# Altium PCB EinsyRetro.PcbDoc (part 2 of 5)
Units mil, origin at the board's own origin, x right, y up, seen from the top; angles counter-clockwise.
Board outline 4134 x 2795 mil, 6 copper layers (Top, GND, Signal Layer 1, Supply, Signal Layer 2, Bottom), stack 61.838 mil thick; 427 components, 287 nets, 1377 pads, 895 vias.
Unrouted connection lines stored in the file: 3.
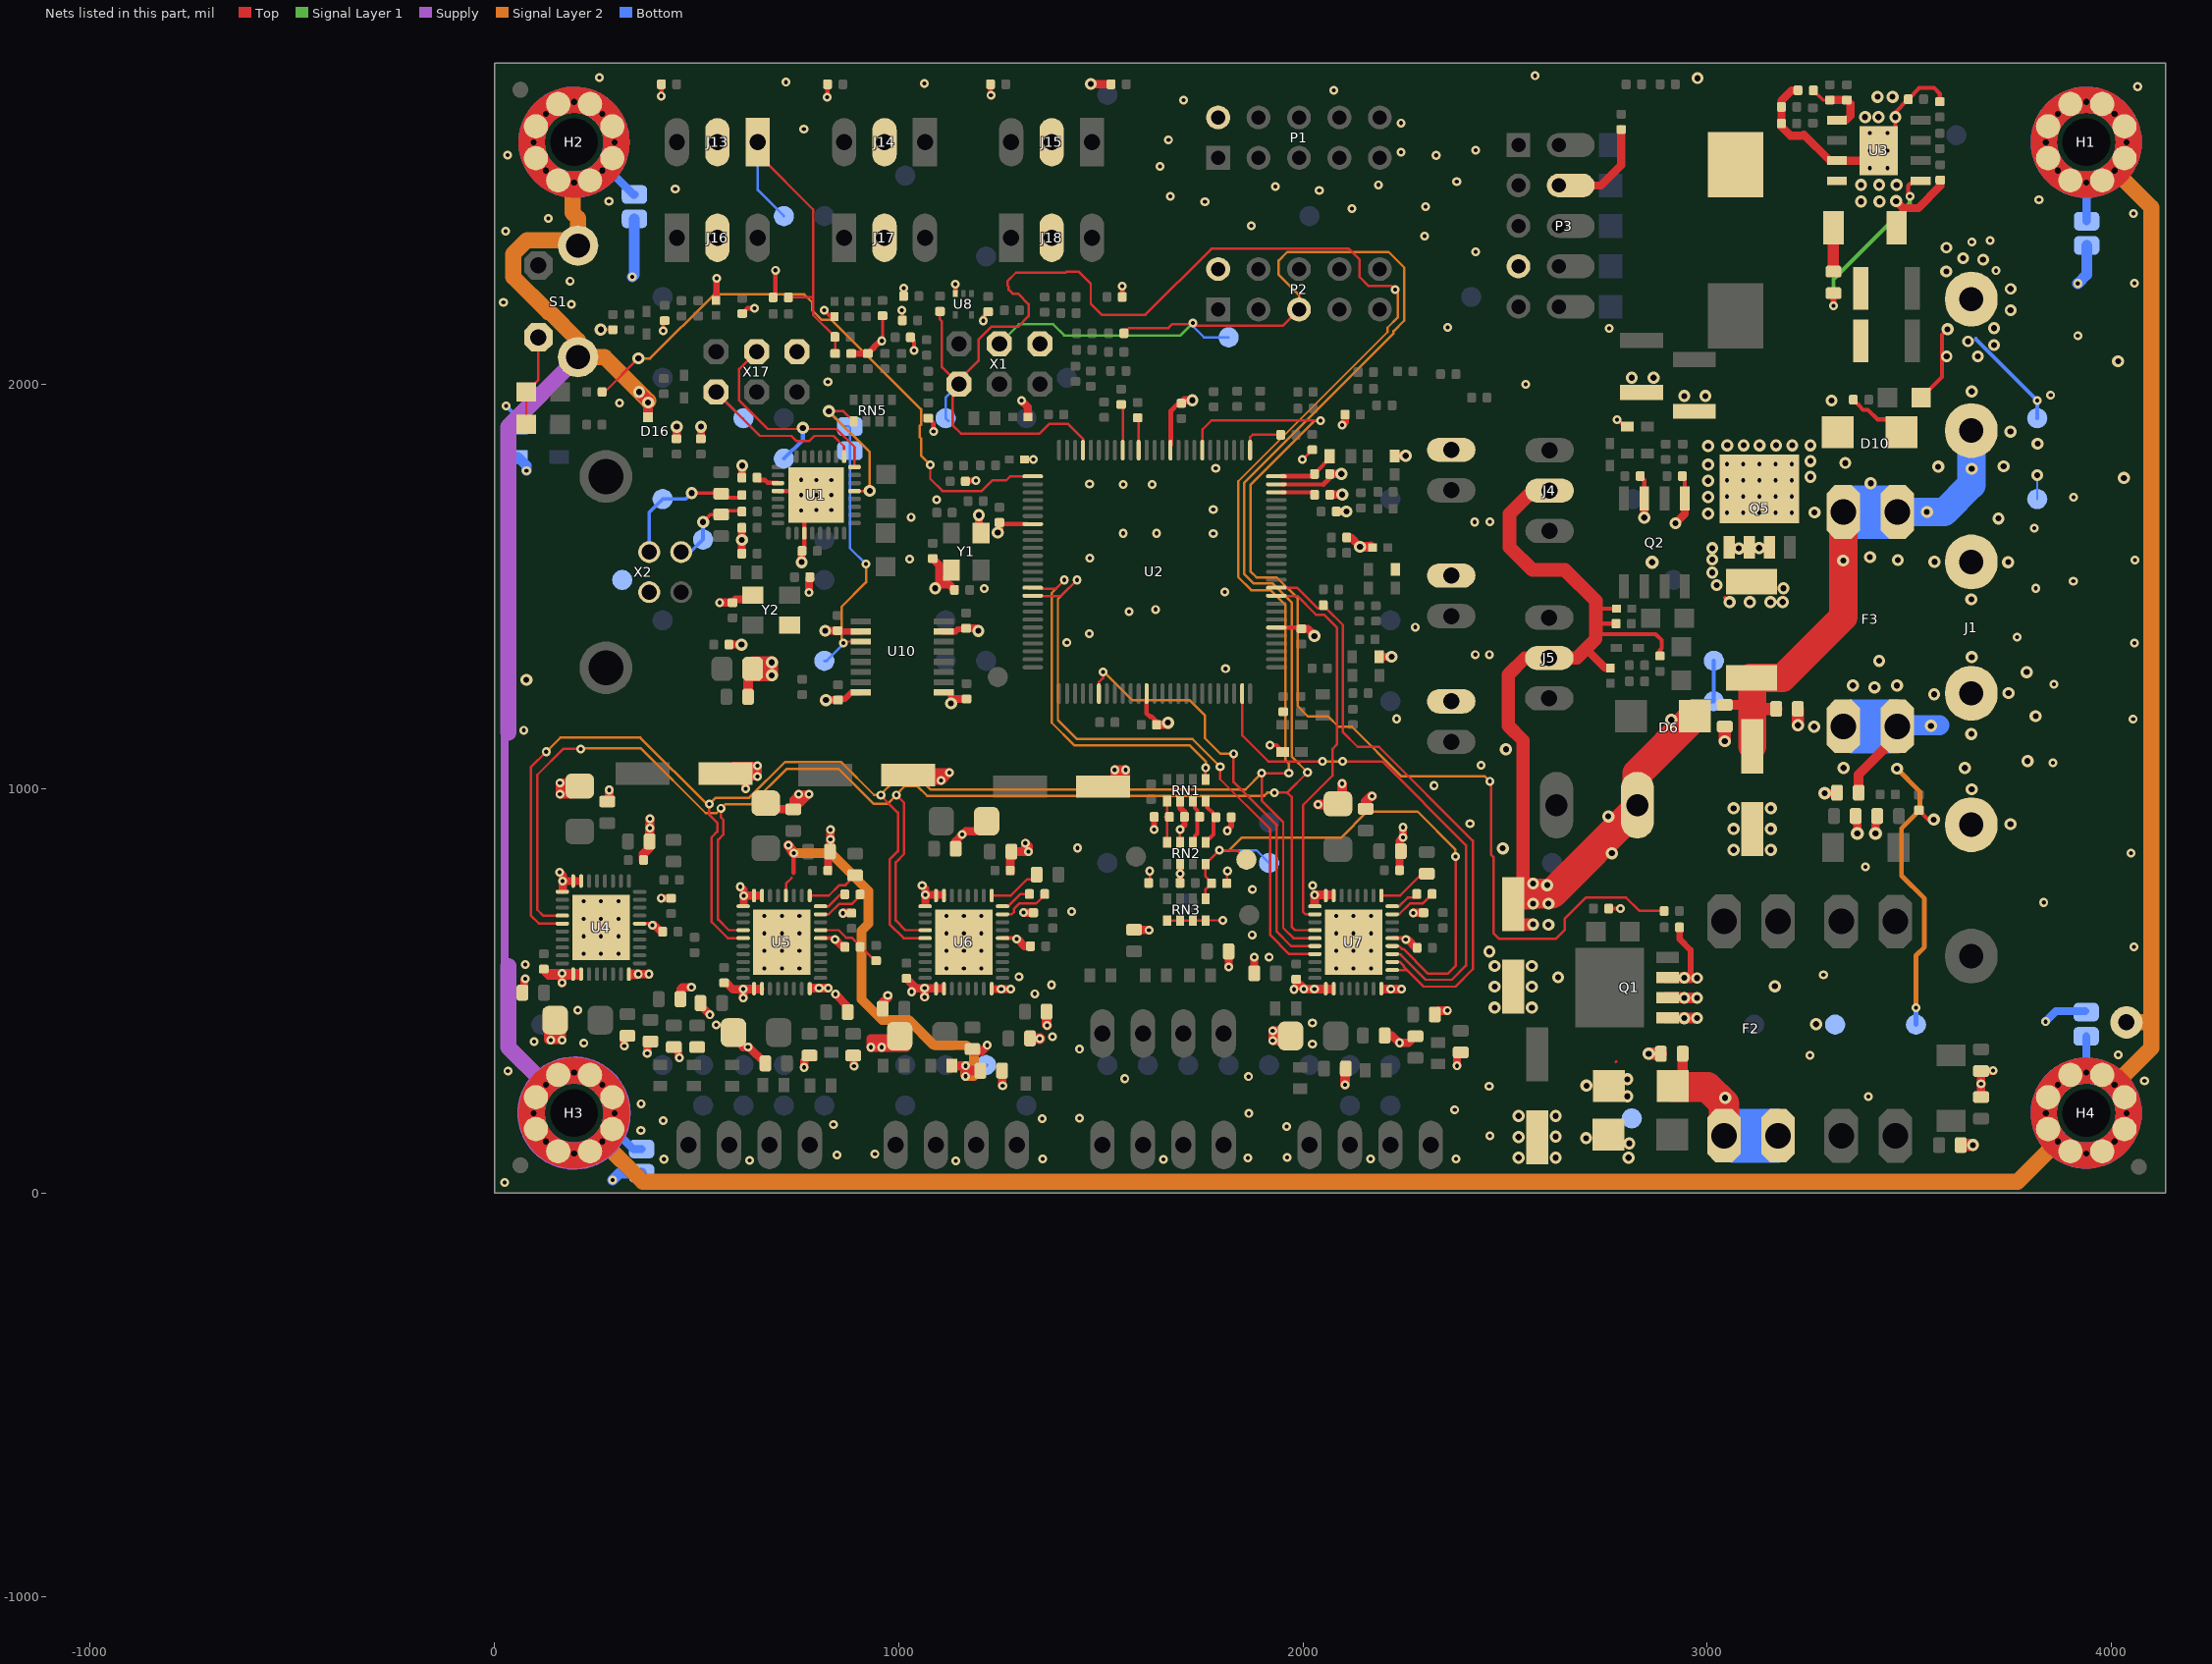
[diagram p6: the nets of this part, all layers, seen from the top]

## Part data
C1 C12 C13 C57 C58: library part 04025A220JAT2A, "CAP CER 0402 22pF 50V 5% C0G", Manufacturer=AVX, TOLERANCE=5%, DISTRIBUTOR=Digi-Key, DISTRIBUTOR #=478-1074-2-ND, EE_SPEC="22pF 5% 50V NP0 0402", MANUFACTURER #=04025A220JAT2A, PART="22pF 50V", PART DESCRIPTION="22pF ±5% 50V Ceramic Capacitor C0G, NP0 0402 (1005 Metric)"
C2: library part C0805C106K8PACTU, "CAP CER 0805 10uF 10V 10% X5R", Manufacturer=Kemet, TOLERANCE="+/- 10%", DISTRIBUTOR=Digi-Key, DISTRIBUTOR #=399-4925-2-ND, EE_SPEC="10uF 10V X5R 0805", MANUFACTURER #=C0805C106K8PACTU, PART=10uF, PART DESCRIPTION="10µF ±10% 10V Ceramic Capacitor X5R 0805 (2012 Metric)"
C3 C23 C28 C31 C32 C33 C36 C37 C60 C62 C71 C82 C84 C85 C86 C87 C88 C89 C90 C99 C102 C104 C105 C108 C110 C111 C113 C116 C119: library part C0603C104K5RACTU, "CAP CER 0603 100nF 50V 10% X7R", Manufacturer=Kemet, TOLERANCE="+/- 10%", DISTRIBUTOR=Digi-Key, DISTRIBUTOR #=399-5089-2-ND, EE_SPEC="100nF 50V X7R 0603", MANUFACTURER #=C0603C104K5RACTU, PART=100nF, PART DESCRIPTION="0.1µF ±10% 50V Ceramic Capacitor X7R 0603 (1608 Metric)"
C4 C6 C7 C8 C9 C10 C11 C14 C15 C26 C39 C41 C42 C43 C44 C46 C49 C50 C51 C52 C53 C54 C55 C56 C59 C64 C67 C68 C69 C70 C73 C74 C77 C79 C83 C92 C93 C94 C95 C120 C121 C122 C123 C124 C125 C126 C127 C128 C129: library part GRM155R71C104KA88D, "CAP CER 0402 100nF 16V 10% X7R", Manufacturer=Murata, TOLERANCE="+/- 10%", DISTRIBUTOR=Digi-Key, DISTRIBUTOR #=490-3261-2-ND, EE_SPEC="100nF 16V X7R 0402", MANUFACTURER #=GRM155R71C104KA88D, PART=100nF, PART DESCRIPTION="0.10µF ±10% 16V Ceramic Capacitor X7R 0402 (1005 Metric)"
C5 C18 C24 C27 C103 C109: "CAP ALUM 100UF 35V 20% SMD", Manufacturer=Nichicon, TOLERANCE="+/- 20%", DISTRIBUTOR=Digi-Key, DISTRIBUTOR #=493-2203-2-ND, EE_SPEC="100uF 35V Al-El", MANUFACTURER #=UWT1V101MCL1GS, PART=100uF, PART DESCRIPTION="100µF 35V Aluminum Capacitors Radial, Can - SMD 1000 Hrs @ 105°C"
C16 C19 C20 C21 C22 C47 C48 C61 C72 C76 C96: library part GRM155R60J105KE19D, "CAP CER 0402 1uF 6.3V 10% X5R", Manufacturer=Murata, TOLERANCE="+/- 10%", DISTRIBUTOR=Digi-Key, DISTRIBUTOR #=490-1320-2-ND, EE_SPEC="1uF 6.3V X5R 0402", MANUFACTURER #=GRM155R60J105KE19D, PART=1uF, PART DESCRIPTION="1µF ±10% 6.3V Ceramic Capacitor X5R 0402 (1005 Metric)"
C17: library part "100nF 0603 50V X7R", "CAP CER 0603 100nF 50V 10% X7R", Manufacturer=Kemet, MANUFACTURER #=C0603C104K5RACTU, TOLERANCE="+/- 10%", DISTRIBUTOR=Digi-Key, DISTRIBUTOR #=399-5089-2-ND, EE_SPEC="100nF 50V X7R 0603", PART=100nF, PART DESCRIPTION="0.1µF ±10% 50V Ceramic Capacitor X7R 0603 (1608 Metric)"
C25: library part "10pF 0402 50V NP0", "CAP CER 10PF 50V 5% NP0 0402", Manufacturer=Samsung, MANUFACTURER #=CL05C100JB5NNNC, TOLERANCE=5%, DISTRIBUTOR=Digikey, DISTRIBUTOR #=1276-1139-2-ND, DNI=DNI, EE_SPEC=50V, PART="10pF 50V NP0 0402", PART DESCRIPTION="10pF ±5% 50V Ceramic Capacitor C0G, NP0 0402 (1005 Metric)"
C29 C34 C38 C91: library part GCM155R71H223KA55D, "CAP CER 0402 22nF ±10% 50V X7R", Manufacturer=YAGEO, TOLERANCE="+/- 10%", DISTRIBUTOR=Digi-Key, DISTRIBUTOR #=490-4763-2-ND, EE_SPEC="22nF 50V X7R 0402", MANUFACTURER #=GCM155R71H223KA55D, PART=22nF, PART DESCRIPTION="0.022µF ±10% 50V Ceramic Capacitor X7R 0402 (1005 Metric)"
C30 C35: library part "47uF 1210 10V X5R", "CAP CER 47UF 10V X5R 1210", Manufacturer=Murata, MANUFACTURER #=GRM32ER61A476KE20L, TOLERANCE=10%, DISTRIBUTOR=Digikey, DISTRIBUTOR #=490-3887-1-ND, EE_SPEC="10V, 3mOhm", PART=47uF, PART DESCRIPTION="47µF ±10% 10V Ceramic Capacitor X5R 1210 (3225 Metric)"
C40 C45: library part "4.7uF 1210 50V X7R", "CAP CER 4.7UF 50V X7R 1210", Manufacturer=Murata, MANUFACTURER #=GRM32ER71H475KA88L, TOLERANCE=10%, DISTRIBUTOR=Digikey, DISTRIBUTOR #=490-1864-1-ND, EE_SPEC=50V, PART="4.7uF 1210 50V X7R", PART DESCRIPTION="4.7µF ±10% 50V Ceramic Capacitor X7R 1210 (3225 Metric)"
C63 C81: library part CC0402KRX7R8BB472, "CAP CER 0402 4.7nF 25V 10% X7R", Manufacturer=YAGEO, TOLERANCE="+/- 10%", DISTRIBUTOR=Digi-Key, DISTRIBUTOR #=311-1039-2-ND, EE_SPEC="4.7nF 25V X7R 0402", MANUFACTURER #=CC0402KRX7R8BB472, PART=4.7nF, PART DESCRIPTION="4700pF ±10% 25V Ceramic Capacitor X7R 0402 (1005 Metric)"
C65 C66 C75 C78 C80 C97 C98 C100 C101 C106 C107 C112 C114 C115 C117 C118: library part C0603C102K5RACTU, "CAP CER 0603  1nF 50v 10% X7R", Manufacturer=Kemet, TOLERANCE="+/- 10%", DISTRIBUTOR=Digi-Key, DISTRIBUTOR #=399-1082-2-ND, EE_SPEC="1nF 50V X7R 0603", MANUFACTURER #=C0603C102K5RACTU, PART=1nF, PART DESCRIPTION="1000pF ±10% 50V Ceramic Capacitor X7R 0603 (1608 Metric)"
C130 C133: library part "10nF 0402 50V X7R", "CAP CER 10nF 50V X7R 0402", Manufacturer=Murata, MANUFACTURER #=GRM155R71H103JA88D, TOLERANCE=5%, DISTRIBUTOR=Digikey, DISTRIBUTOR #=490-7763-1-ND, EE_SPEC=50V, PART="10nF 50V X7R 0402", PART DESCRIPTION="10000pF ±5% 50V Ceramic Capacitor X7R 0402 (1005 Metric)"
C131: library part "2.2nF 25V C0G 0402", "CAP CER 0402 2.2nF 25V C0G", Manufacturer=Kemet, MANUFACTURER #=C0402C222J3GACTU, TOLERANCE=5%, DISTRIBUTOR=Digikey, DISTRIBUTOR #=399-8957-2-ND, EE_SPEC=25, PART="2.2nF 25V C0G 0402", PART DESCRIPTION="2200pF ±5% 25V Ceramic Capacitor C0G, NP0 0402 (1005 Metric)"
C132: library part "22pF 0402 50V C0G", "CAP CER 0402 22pF 50V 5% C0G", Manufacturer=AVX, MANUFACTURER #=04025A220JAT2A, TOLERANCE=5%, DISTRIBUTOR=Digi-Key, DISTRIBUTOR #=478-1074-2-ND, EE_SPEC="22pF 5% 50V NP0 0402", PART="22pF 50V", PART DESCRIPTION="22pF ±5% 50V Ceramic Capacitor C0G, NP0 0402 (1005 Metric)"
D1 D5 D11 D12 D13 D14 D15 D33 D34 D35: library part BAT54WT-7, "Diode Schottky 30V 100mA Surface Mount SOD-523", Manufacturer="Diodes Incorporated", TOLERANCE=NA, DISTRIBUTOR=Digi-Key, DISTRIBUTOR #=BAT54WT-7DI-ND, EE_SPEC="30V 0.1A", MANUFACTURER #=BAT54WT-7, PART=BAT54, PART DESCRIPTION="Diode Schottky 30V 100mA Surface Mount SOD-523"
D2 D8: "TVS DIODE 28VWM 45.4VC SMA", Manufacturer="Diodes Inc", MANUFACTURER #=SMAJ28A-13-F, TOLERANCE=NA, DISTRIBUTOR=Digi-Key, DISTRIBUTOR #=SMAJ28A-FDITR-ND, EE_SPEC="28Vrs 45.4Vc", PART=SMAJ28A, PART DESCRIPTION="TVS DIODE 28VWM 45.4VC SMA"
D3 D4 D9 D17: "DIODE SOD523", Manufacturer=Fairchild, TOLERANCE=NA, DISTRIBUTOR=Digi-Key, DISTRIBUTOR #=1N4148WTTR-ND, EE_SPEC="75V 0.2A", MANUFACTURER #=1N4148WT, PART=1N4148WT, PART DESCRIPTION="DIODE GEN PURP 75V 200MA SOD523F"
D6 D10: library part SK310A, "DIODE Schottky 3A SMA", Manufacturer=MCC, TOLERANCE=-NA-, DISTRIBUTOR=Digikey, DISTRIBUTOR #=SK310A-TPTR-ND, EE_SPEC="100V 3A", MANUFACTURER #=SK310A, PART="Schottky Diode 100V 3A", PART DESCRIPTION="Diode Schottky 100V 3A Surface Mount DO-214AC (HSMA)"
D7: "DIODE DO-214AB", Manufacturer="Diodes Incorporated", TOLERANCE=NA, DISTRIBUTOR=Digi-Key, DISTRIBUTOR #=S3A-FDITR-ND, EE_SPEC="50V 3A 1.15Vf", MANUFACTURER #=S3A-13-F, PART=S3A-13-F, PART DESCRIPTION="Diode Standard 50V 3A Surface Mount SMC"
D16: "DIODE TVS", Manufacturer=Rohm, TOLERANCE=NA, DISTRIBUTOR=Digi-Key, DISTRIBUTOR #=RSB39VTE-17TR-ND, EE_SPEC="30Vrs 35.1Vbd 30pF", MANUFACTURER #=RSB39VTE-17, PART=30V, PART DESCRIPTION="TVS DIODE 30VWM SOD323"
D18: "DIODE SCHOTTKY 40V 5A SMB_DO214AA", Manufacturer=MCC, MANUFACTURER #=SK54B-LTP, VOLTAGE=40Vrb, DISTRIBUTOR=DIGI-KEY, DISTRIBUTOR #=SK54B-LTPMSTR-ND, PART=SK54B
F1 F2 F3: "FUSE PTH ATO", Manufacturer=Keystone, TOLERANCE=NA, DISTRIBUTOR=Digi-Key, DISTRIBUTOR #=36-3557-2-ND, EE_SPEC="ATC 500V 30A", MANUFACTURER #=3557-2, PART=Fuse, PART DESCRIPTION="FUSE BLOCK BLADE 500V 30A PCB"
FB1 FB2: "FERRITE BEAD 1806 60ohm", Manufacturer=Murata, TOLERANCE=NA, DISTRIBUTOR=Digi-Key, DISTRIBUTOR #=490-1058-2-ND, EE_SPEC="60R 6A 0.009Ohm", MANUFACTURER #=BLM41PG600SN1L, PART=60Rf, PART DESCRIPTION="FERRITE BEAD 60 OHM 1806 1LN"
FB3 FB4 FB5 FB6 FB7 FB8 FB9 FB10 FB11 FB12 FB13 FB14 FB15 FB16 FB17 FB18 FB19 FB20 FB21 FB22: library part "FERRITE 120R 3A 0603", "FERRITE BEAD 120 OHM 0603 1LN", Manufacturer=Samsung, MANUFACTURER #=CIS10P121AC, TOLERANCE=-NA-, DISTRIBUTOR #=1276-6351-2-ND, EE_SPEC=3A, PART="FERRITE 120R 3A 0603", PART DESCRIPTION="FERRITE BEAD 120 OHM 0603 1LN"
  FB3 FB4 FB5: DISTRIBUTOR=DigiKey
  FB6 FB7 FB8 FB9 FB10 FB11 FB12 FB13 FB14 FB15 FB16 FB17 FB18 FB19 FB20 FB21 FB22: DISTRIBUTOR=Digikey
FB23 FB24 FB25 FB26 FB27 FB28 FB29 FB30 FB31 FB32 FB33 FB34 FB35 FB36 FB37 FB38 FB39 FB40 FB41 FB42 RV8 RV18 RV33 RV34 RV35 RV36 RV37 RV38: library part "FERRITE 120R 1A 0402", "FERRITE BEAD 120 OHM 0402 1LN", Manufacturer="Taiyo Yuden", MANUFACTURER #=BKP1005HS121-T, TOLERANCE=-NA-, DISTRIBUTOR=Digikey, DISTRIBUTOR #=587-1921-2-ND, EE_SPEC=1A, PART="FERRITE 120R 1A 0402", PART DESCRIPTION="FERRITE BEAD 120 OHM 0402 1LN"
FID1 FID2 FID3: "Fiducial", MANUFACTURER #=NOTAPART_FIDUCIAL
J1: "CONN BARRIER STRIP 6CIRC 0.325\"", Manufacturer=TE, MANUFACTURER #=4DB-P108-06, TOLERANCE=NA, DISTRIBUTOR=Digi-Key, DISTRIBUTOR #=A98476-ND, EE_SPEC="150V 2A", PART=6POS, PART DESCRIPTION="6 Circuit 0.325\" (8.26mm) Barrier Block Connector, Screws with Captive Plate"
J2 J3 J6: "Connector 2pos", Manufacturer=Molex, MANUFACTURER #=0705430001, TOLERANCE=-NA-, DISTRIBUTOR=Digi-Key, DISTRIBUTOR #=WM4800-ND, EE_SPEC=-NA-, PART="10 Pin Conn", PART DESCRIPTION="2 Positions Header, Shrouded Connector 0.100\" (2.54mm) Through Hole Gold"
J4 J5 J13 J14 J15 J16 J17 J18: library part "CONN 3POS VERT 0.1\" SHRD LOCKING", "3 Positions Header, Shrouded Connector 0.100\" (2.54mm) Through Hole Gold", Manufacturer=Molex, MANUFACTURER #=0705430002, TOLERANCE=-NA-, DISTRIBUTOR=Digi-Key, DISTRIBUTOR #=WM4801-ND, EE_SPEC=-NA-, PART="3 Pin Conn VERT", PART DESCRIPTION="3 Positions Header, Shrouded Connector 0.100\" (2.54mm) Through Hole Gold"
J8 J9 J10 J11 J12: library part "Molex 0705430003 PIP", "Molex 4 Pin Clip Connector - Pin In Paste footprint"
JP1: "SMD solder jumper"
JP3: "SMD solder jumper", MANUFACTURER #=NOTAPART_SOLDERJUMPER, LastRevisionDate=23-Apr-2014, LastRevisionNote=ImportComponents, Published=23-Apr-2014, Publisher=UltiMachine
JP4: "SMD solder jumper", MANUFACTURER #="NOTAPART SOLDERJUMPER", LastRevisionDate=23-Apr-2014, LastRevisionNote=ImportComponents, Published=23-Apr-2014, Publisher=UltiMachine
L1: library part "4.7uH 10A", "FIXED IND 4.7UH 10A 15.5 MOHM", Manufacturer=Bourns, MANUFACTURER #=SRP1038A-4R7M, TOLERANCE="+/- 20%", DISTRIBUTOR=Digi-Key, DISTRIBUTOR #=SRP1038A-4R7MTR-ND, EE_SPEC="Irms=10A, Isat=17A, DCR=0.016Ohms", PART="4.7uH 10A", PART DESCRIPTION="4.7µH Shielded Wirewound Inductor 10A 15.5 mOhm Max Nonstandard"
LED1 LED4 LED10: library part 5988140107F, "LED 0805 Yellow", Manufacturer=Dialight, TOLERANCE=NA, DISTRIBUTOR=Digi-Key, DISTRIBUTOR #=350-2041-2-ND, EE_SPEC="2V 0.02A", MANUFACTURER #=5988140107F, PART=YEL, PART DESCRIPTION="Yellow 593nm LED Indication - Discrete 2V 0805 (2012 Metric)"
LED2 LED3 LED5 LED6: library part 5988110107F, "LED 0805 Red", Manufacturer=Dialight, TOLERANCE=NA, DISTRIBUTOR=Digi-Key, DISTRIBUTOR #=350-2038-2-ND, EE_SPEC="2.2V 0.02A", MANUFACTURER #=5988110107F, PART=RED, PART DESCRIPTION="Red 635nm LED Indication - Discrete 2.2V 0805 (2012 Metric)"
LED7: library part 5988170107F, "LED 0805 Green", Manufacturer=Dialight, TOLERANCE=NA, DISTRIBUTOR=Digi-Key, DISTRIBUTOR #=350-2044-2-ND, EE_SPEC="2V 0.02A", MANUFACTURER #=5988170107F, PART=GRN, PART DESCRIPTION="Green 566nm LED Indication - Discrete 2V 0805 (2012 Metric)"
"Net Tie1" "Net Tie2" "Net Tie3" "Net Tie4": "Net Tie", LastRevisionDate=23-Apr-2014, LastRevisionNote=ImportComponents, Published=23-Apr-2014, Publisher=UltiMachine
P1 P2 P3: library part "Header 10PIN 2ROW T-HOLE VERT SHROUDED", "CONN HEADER VERT 10POS GOLD", Manufacturer="On Shore", MANUFACTURER #=302-S101, TOLERANCE=-NA-, DISTRIBUTOR=Digikey, DISTRIBUTOR #=ED1543-ND, EE_SPEC=-NA-, PART=HDR10, PART DESCRIPTION="10 Positions Header Connector 0.100\" (2.54mm) Through Hole Gold"
Q1 Q5: "MOSFET N-CH 40V 100A LFPAK", Manufacturer=Nexperia, MANUFACTURER #=PSMN1R8-40YLC,115, TOLERANCE=-NA-, DISTRIBUTOR=Digikey, DISTRIBUTOR #=1727-1052-2-ND, EE_SPEC="40V 100A 1.8mOhm", PART DESCRIPTION="N-Channel 40V 100A (Tc) 272W (Tc) Surface Mount LFPAK56, Power-SO8"
Q2: "IC DVR LOW SIDE 8-SOIC", Manufacturer="On Semi", MANUFACTURER #=NCV8402ADDR2G, TOLERANCE=NA, DISTRIBUTOR=Digi-Key, DISTRIBUTOR #=NCV8402ADDR2GOSTR-ND, EE_SPEC="42Vmaz 2A 0.165-Ohm", PART=NCV8402, PART DESCRIPTION="IC DVR LOW SIDE 8-SOIC"
R1 R2 R19 R20 R27 R34: library part RC0402FR-0722RL, "RES 0402 22r 62.5mW 1%", Manufacturer=Yageo, TOLERANCE="+/- 1%", DISTRIBUTOR=Digi-Key, DISTRIBUTOR #=311-22.0LRTR-ND, EE_SPEC="22R 1% 0402", MANUFACTURER #=RC0402FR-0722RL, PART=22R, PART DESCRIPTION="22 Ohm ±1% 0.063W, 1/16W Chip Resistor 0402 (1005 Metric) Moisture Resistant Thick Film"
R3: library part "10.2k 1% 0402", "RES SMD 10.2K OHM 1% 1/16W 0402", Manufacturer=Yageo, MANUFACTURER #=RC0402FR-0710K2L, TOLERANCE=1%, DISTRIBUTOR=Digikey, DISTRIBUTOR #=YAG2950TR-ND, EE_SPEC=1/16W, PART="10.2k 1% 0402", PART DESCRIPTION="10.2 kOhms ±1% 0.063W, 1/16W Chip Resistor 0402 (1005 Metric) Moisture Resistant Thick Film"
R4 R8 R12 R14: library part RC0402FR-0710RL, "RES SMD 10 OHM 1% 1/16W 0402", Manufacturer=Yageo, TOLERANCE="+/- 1%", DISTRIBUTOR=Digi-Key, DISTRIBUTOR #=311-10.0LRTR-ND, EE_SPEC="10R 1% 0402", MANUFACTURER #=RC0402FR-0710RL, PART=10R, PART DESCRIPTION="10 Ohm ±1% 0.063W, 1/16W Chip Resistor 0402 (1005 Metric) Moisture Resistant Thick Film"
R5 R31 R36 R60: library part RC0402FR-074K7L, "RES SMD 4.7K OHM 1% 1/16W 0402", Manufacturer=Yageo, TOLERANCE="+/- 1%", DISTRIBUTOR=Digi-Key, DISTRIBUTOR #=311-4.7KLRTR-ND, EE_SPEC="4.7k 1% 0402", MANUFACTURER #=RC0402FR-074K7L, PART=4.7k, PART DESCRIPTION="4.7k Ohm ±1% 0.063W, 1/16W Chip Resistor 0402 (1005 Metric) Moisture Resistant Thick Film"
R6 R32 R37 R38 R39 R41: library part RC0402FR-072K37L, "RES SMD 2.37K OHM 1% 1/16W 0402", Manufacturer=Yageo, TOLERANCE="+/- 1%", DISTRIBUTOR=Digi-Key, DISTRIBUTOR #=311-2.37KLRTR-ND, EE_SPEC="2.37k 1% 0402", MANUFACTURER #=RC0402FR-072K37L, PART=2.37k, PART DESCRIPTION="2.37k Ohm ±1% 0.063W, 1/16W Chip Resistor 0402 (1005 Metric) Moisture Resistant Thick Film"
R7 R10 R15 R17 R18 R22 R25 R26: library part "0.12R 1% 1206", "RES 0.12 OHM 5% 1/4W 1206", Manufacturer="TE Connectivity", MANUFACTURER #=RL73K2BR12JTD, TOLERANCE="+/- 1%", DISTRIBUTOR=Digi-Key, DISTRIBUTOR #=A103269TR-ND, EE_SPEC="0.12R 1% 1206", PART=0.122R, PART DESCRIPTION="120 mOhms ±5% 0.25W, 1/4W Chip Resistor 1206 (3216 Metric) Current Sense Thick Film"
R9 R16 R28 R29 R40 R58: library part RC0402FR-071K8L, "RES SMD 1.8K OHM 1% 1/16W 0402", Manufacturer=Yageo, TOLERANCE="+/- 1%", DISTRIBUTOR=Digi-Key, DISTRIBUTOR #=311-1.80KLRTR-ND, EE_SPEC="1.8k 1% 0402", MANUFACTURER #=RC0402FR-071K8L, PART=1.8k, PART DESCRIPTION="1.8k Ohm ±1% 0.063W, 1/16W Chip Resistor 0402 (1005 Metric) Moisture Resistant Thick Film"
R11: library part "665k 1% 0402", "RES SMD 665K OHM 1% 1/16W 0402", Manufacturer=Yageo, MANUFACTURER #=RC0402FR-07665KL, TOLERANCE=1%, DISTRIBUTOR=Digikey, DISTRIBUTOR #=YAG2374CT-ND, EE_SPEC=1/16W, PART="665k 1% 0402", PART DESCRIPTION="665 kOhms ±1% 0.063W, 1/16W Chip Resistor 0402 (1005 Metric) Moisture Resistant Thick Film"
R13: library part "130k 1% 0402", "RES SMD 130K OHM 5% 1/16W 0402", Manufacturer=Yageo, MANUFACTURER #=RC0402JR-07130KL, TOLERANCE=1%, DISTRIBUTOR=Digikey, DISTRIBUTOR #=YAG3273CT-ND, EE_SPEC=1/16W, PART="130k 1% 0402", PART DESCRIPTION="130 kOhms ±5% 0.063W, 1/16W Chip Resistor 0402 (1005 Metric) Moisture Resistant Thick Film"
R21 R42 R48 R56: library part "RES 100R 0402 1%", "RES SMD 100 OHM 1% 1/16W 0402", Manufacturer=Yageo, MANUFACTURER #=RC0402FR-07100RL, TOLERANCE=1%, DISTRIBUTOR=Digi-Key, DISTRIBUTOR #=311-100LRTR-ND, EE_SPEC="100R 1% 0402", PART="100R 1% 0402", PART DESCRIPTION="100 Ohm ±1% 0.063W, 1/16W Chip Resistor 0402 (1005 Metric) Moisture Resistant Thick Film"
R23: library part "1.96k 1% 0402", "RES SMD 1.96K OHM 1% 1/16W 0402", Manufacturer=Yageo, MANUFACTURER #=RC0402FR-071K96L, TOLERANCE=1%, DISTRIBUTOR=Digikey, DISTRIBUTOR #=311-1.96KLRTR-ND, EE_SPEC=1/16W, PART="1.96k 1% 0402", PART DESCRIPTION="1.96 kOhms ±1% 0.063W, 1/16W Chip Resistor 0402 (1005 Metric) Moisture Resistant Thick Film"
R24: library part "37.4K 1% 0402", "RES SMD 37.4K OHM 1% 1/16W 0402", Manufacturer=Yageo, MANUFACTURER #=RC0402FR-0737K4L, TOLERANCE=1%, DISTRIBUTOR=Digikey, DISTRIBUTOR #=YAG3138CT-ND, EE_SPEC=1/16W, PART=37.4k, PART DESCRIPTION="37.4 kOhms ±1% 0.063W, 1/16W Chip Resistor 0402 (1005 Metric) Moisture Resistant Thick Film"
R30 R33 R35 R44 R45 R73: library part RC0402FR-071KL, "RES SMD 1K OHM 1% 1/16W 0402", Manufacturer=Yageo, TOLERANCE="+/- 1%", DISTRIBUTOR=Digi-Key, DISTRIBUTOR #=311-1.00KLRTR-ND, EE_SPEC="1k 1% 0402", MANUFACTURER #=RC0402FR-071KL, PART=1k, PART DESCRIPTION="1k Ohm ±1% 0.063W, 1/16W Chip Resistor 0402 (1005 Metric) Moisture Resistant Thick Film"
R43 R49 R50 R57: library part RC0402FR-07100KL, "RES 100K OHM 1% 1/16W 0402", Manufacturer=Yageo, TOLERANCE="+/- 1%", DISTRIBUTOR=Digi-Key, DISTRIBUTOR #=311-100KLRTR-ND, EE_SPEC="100K 1% 0402", MANUFACTURER #=RC0402FR-07100KL, PART=100K, PART DESCRIPTION="100k Ohm ±1% 0.063W, 1/16W Chip Resistor 0402 (1005 Metric) Moisture Resistant Thick Film"
R46 R47 R51 R52 R54 R61 R62 R63 R64 R65 R68 R70 R71 R77 R78: library part RC0402FR-0710KP, "RES SMD 10K OHM 1% 1/16W 0402", Manufacturer=Yageo, TOLERANCE=1%, DISTRIBUTOR=Digi-Key, DISTRIBUTOR #=YAG1249TR-ND, EE_SPEC="10k 1% 0402 1/16W", MANUFACTURER #=RC0402FR-0710KP, PART="10k 1% 0402", PART DESCRIPTION="10k Ohm ±1% 0.063W, 1/16W Chip Resistor 0402 (1005 Metric) Moisture Resistant Thick Film"
  R51 R61: DNI=DNI
R72: library part ERJ2GEJ105X, "RES 0402 1M 100mW 5%", Manufacturer=Panasonic, TOLERANCE="+/- 1%", DISTRIBUTOR=Digi-Key, DISTRIBUTOR #=P1.0MJTR-ND, EE_SPEC="1M 1% 0402", MANUFACTURER #=ERJ2GEJ105X, PART=1M, PART DESCRIPTION="1M Ohm ±5% 0.1W, 1/10W Chip Resistor 0402 (1005 Metric) Automotive AEC-Q200 Thick Film"
RN1 RN2: library part "5.6k x 4 5% 1206", "RES ARRAY 4 RES 5.6K OHM 1206", Manufacturer=Bourns, MANUFACTURER #=CAY16-562J4LF, TOLERANCE="+/- 5%", DISTRIBUTOR=Digi-Key, DISTRIBUTOR #=CAY16-562J4LFCT-ND, EE_SPEC="5.6k x 4 5% 1206", PART=5.6k, PART DESCRIPTION="5.6k Ohm ±5% 62.5mW Power Per Element Isolated Resistor Network/Array ±200ppm/°C 1206 (3216 Metric), Convex, Long Side Terminals"
RN3: library part CAY16-103J4LF, "RES ARRAY 4 RES 10K 1206 62.5mW 5%", Manufacturer=Bourns, TOLERANCE="+/- 5%", DISTRIBUTOR=Digi-Key, DISTRIBUTOR #=CAY16-103J4LFTR-ND, EE_SPEC="10k 5% Array_x_4", MANUFACTURER #=CAY16-103J4LF, PART=10K, PART DESCRIPTION="10k Ohm ±5% 62.5mW Power Per Element Isolated Resistor Network/Array ±200ppm/°C 1206 (3216 Metric), Convex, Long Side Terminals"
RN5: library part CAY16-102J4LF, "RES ARRAY 4 RES 1K 1206 62.5mW 5%", Manufacturer=Bourns, TOLERANCE="+/- 5%", DISTRIBUTOR=Digi-Key, DISTRIBUTOR #=CAY16-102J4LFTR-ND, EE_SPEC="1k 5% Array_x_4", MANUFACTURER #=CAY16-102J4LF, PART=1K, PART DESCRIPTION="1k Ohm ±5% 62.5mW Power Per Element Isolated Resistor Network/Array ±200ppm/°C 1206 (3216 Metric), Convex, Long Side Terminals"
RT1: library part R0402TBD, "Resistor", ComponentLink1URL=https://www.google.com/url?q=https%3A%2F%2Fwww.digikey.com%2Fproduct-detail%2Fen%2Ftdk-corporation%2FNTCG104LH104JT1%2F445-174317-2-ND%2F5872764&sa=D&sntz=1&usg=AFQjCNGfH4No7NyCrDfuMv9mRRvIOcXeQg, LastRevisionDate=23-Apr-2014, LastRevisionNote=ImportComponents, MANUFACTURER #=NTCG104LH104JT1, Published=23-Apr-2014, Publisher=UltiMachine
RV1 RV2 RV26: "VAR 0603 5V", Manufacturer=YAGEO, TOLERANCE=NA, DISTRIBUTOR=Digi-Key, DISTRIBUTOR #=CG0603MLC-05ETR-ND, EE_SPEC=5VDC, MANUFACTURER #=CG0603MLC-05E, PART=5VDC, PART DESCRIPTION="VARISTOR 0603"
RV3 RV5 RV7 RV11 RV13 RV23: "Multi-Layer Varistor", Manufacturer=Yageo, TOLERANCE=NA, DISTRIBUTOR=Digi-Key, DISTRIBUTOR #=311-1516-2-ND, EE_SPEC="5.5Vdc 12Vvar 60pF", MANUFACTURER #=VRS0402SR55R101N, PART=12V, PART DESCRIPTION="VARISTOR 12V 10A 0402"
RV24: library part "0R 0402", "RES SMD 0.0OHM JUMPER 1/10W 0402", Manufacturer=Panasonic, MANUFACTURER2#=RC0402JR-070RL, MANUFACTURER #=ERJ-2GE0R00X, TOLERANCE=1%, DISTRIBUTOR=Digikey, DISTRIBUTOR #=P0.0JTR-ND, PART=0R, PART DESCRIPTION="0.0 Ohm Jumper 0.1W, 1/10W Chip Resistor 0402 (1005 Metric) Automotive AEC-Q200 Thick Film"
S1: "SWTCH Momentary Washable", Manufacturer=TE, TOLERANCE=NA, DISTRIBUTOR=Digi-Key, DISTRIBUTOR #=506-1571610-2, EE_SPEC="24V 0.05A", MANUFACTURER #=1571610-2, PART="Tact PB R/A", PART DESCRIPTION="Tactile Switches R/A SEALED TACT SWITCH"
TP1 TP2 TP3 TP4 TP5 TP6 TP7 TP8 TP9 TP10 TP11 TP12 TP13 TP14 TP15 TP16 TP17 TP18 TP19 TP20 TP21 TP22 TP23 TP24 TP25 TP26 TP27 TP28 TP29 TP30 TP31 TP32 TP33 TP34 TP35 TP36 TP37 TP38 TP39 TP40 TP41 TP42 TP43 TP44 TP45 TP46 TP47 TP48 TP49 TP50 TP51 TP52 TP53 TP54 TP55 TP56 TP57 TP58 TP59 TP60 TP61 TP62 TP63 TP66 TP67 TP68 TP69 TP70 TP71 TP72 TP73 TP74 TP75: "Test Point"
U1: library part ATMEGA32U2-MU2, Manufacturer=Microchip, MANUFACTURER #=ATMEGA32U2-MUR, TOLERANCE=NA, DISTRIBUTOR=Digi-Key, DISTRIBUTOR #=ATMEGA32U2-MURTR-ND, EE_SPEC="5V 32KB 1KB", PART=ATMEGA32U2, PART DESCRIPTION="AVR AVR® ATmega Microcontroller IC 8-Bit 16MHz 32KB (16K x 16) FLASH 32-VQFN (5x5)"
U2: library part ATMEGA2560AU_SM, Manufacturer=Microchip, MANUFACTURER #=ATMEGA2560-16AUR, TOLERANCE=NA, DISTRIBUTOR=Digi-Key, DISTRIBUTOR #=ATMEGA2560-16AURTR-ND, EE_SPEC="5V 256KB 8KB 16MHz", PART=ATMEGA2560, PART DESCRIPTION="AVR AVR® ATmega Microcontroller IC 8-Bit 16MHz 256KB (128K x 16) FLASH 100-TQFP (14x14)"
U3: "IC REG BUCK ADJ 5A 8SOPWRPAD", Manufacturer=TI, MANUFACTURER #=TPS54531DDAR, DISTRIBUTOR=Digikey, DISTRIBUTOR #=296-40801-2-ND, EE_SPEC="28Vin_max, 5A, 570kHz", PART=TPS54531, PART DESCRIPTION="Buck Switching Regulator IC Positive Adjustable 0.8V 1 Output 5A 8-PowerSOIC (0.154\", 3.90mm Width)"
U4 U5 U6 U7: library part TMC2130-LA-T, "IC STEPPER MOTOR DVR SPI 36QFN", Manufacturer=Trinamic, TOLERANCE=NA, DISTRIBUTOR=Digi-Key, DISTRIBUTOR #=1460-1130-2-ND, EE_SPEC="46V 1.2A 1/256 Step", MANUFACTURER #=TMC2130-LA-T, PART=TMC2130, PART DESCRIPTION="Bipolar Motor Driver Power MOSFET SPI, Step/Direction 36-QFN (5x6)"
U8: library part SN74AHCT1G125DRLR, "IC BUS BUFF TRI-ST N-INV  SOT-553", Manufacturer=TI, TOLERANCE=-NA-, DISTRIBUTOR=Digikey, DISTRIBUTOR #=296-19379-2-ND, EE_SPEC=4.5-5.5V, MANUFACTURER #=SN74AHCT1G125DRLR, PART=SN74AHCT1G125DRLR, PART DESCRIPTION="Buffer, Non-Inverting 1 Element 1 Bit per Element Push-Pull Output SOT-5"
U10: "4ch iCoupler", Manufacturer="Analog Devices", MANUFACTURER #=ADUM7441ARQZ-RL7, TOLERANCE=NA, DISTRIBUTOR=Digi-Key, DISTRIBUTOR #=ADUM7441ARQZ-RL7TR-ND, EE_SPEC="5V 1000Viso", PART=ADUM7441ARQZ, PART DESCRIPTION="General Purpose Digital Isolator 1000Vrms 4 Channel 1Mbps 15kV/µs CMTI 16-SSOP (0.154\", 3.90mm Width)"
X1 X17: "CONN HEADER VERT 6POS GOLD", Manufacturer=MultiComp, MANUFACTURER #=2213S-06G, TOLERANCE=NA, DISTRIBUTOR=Newark, DISTRIBUTOR #=08N6789, EE_SPEC="10Pin 2Row 0.1\" T-Hole", PART=6PIN, PART DESCRIPTION="6 Positions Header Connector 0.100\" (2.54mm) Through Hole Gold"
X2: "USB connector B PTH", Manufacturer=FCI, MANUFACTURER #=61729-0010BLF, TOLERANCE=NA, DISTRIBUTOR=Digi-Key, DISTRIBUTOR #=609-1039-ND, EE_SPEC="USB-B T-Hole R/A", PART=USB-B, PART DESCRIPTION="USB - B USB 2.0 Receptacle Connector 4 Position Through Hole, Right Angle"
X13: "Conn - 5.08mm Pitch Fixed", Manufacturer=Molex, TOLERANCE=NA, DISTRIBUTOR=Digi-Key, DISTRIBUTOR #=WM7837-ND, EE_SPEC="300V 15A 0.2\"", MANUFACTURER #=0395311002, PART=2POS, PART DESCRIPTION="2 Position Terminal Block Header, Male Pins, Shrouded (4 Side) 0.200\" (5.08mm) Vertical Through Hole"
Y1 Y2: "Crystal 16mHz 10ppm 10pF", Manufacturer=TXC, TOLERANCE=10ppm, DISTRIBUTOR=Digi-Key, DISTRIBUTOR #=887-1319-2-ND, EE_SPEC="10ppm 10pF 80R", MANUFACTURER #=7M-16.000MEEQ-T, PART=16MHz, PART DESCRIPTION="CRYSTAL 16.0000MHZ 10PF SMD"

## Free pads (board coordinates)
  round 80 hole 40: 0(4036.67,421.51)
  round 27.56 on Mech16 mask+0: 1(451.43,2598.68) 2(864.82,2598.68) 3(1278.2,2598.68) 4(1278.2,2362.46) 5(864.82,2362.46) 6(451.43,2362.46)
  round 60 on Mech16: ""(-984,-984) ""(585.53,1983.56) ""(780.17,157.73) ""(1116,1916) ""(1158.13,1983.56) ""(1216,1916) ""(1291.98,157.73) ""(1316,1916) ""(1790,2185) ""(1790,2560) ""(1803.8,157.73) ""(1803.8,433.32) ""(2316,158.13) ""(2366.39,1215.61) ""(2366.39,1526.63) ""(2366.39,1837.65) ""(2515,2053) ""(2609,1223) ""(2610,1637) ""(2827,959)
  round 30 on Mech16: ""(168.15,744.64) ""(615.53,708.64) ""(727,1631.51) ""(1065.53,708.64) ""(2029.53,708.64) ""(3305.17,2353.2) ""(3653,2210.5)
  round 20 on Top Overlay: ""(181.25,478.25) ""(181.25,800.25) ""(300.25,800.25) ""(327.25,502.25) ""(634.25,480.25) ""(648.25,761.25) ""(709.25,2321.25) ""(753.25,760.25) ""(771.25,431.25) ""(811.25,2204.25) ""(1080.25,435.25) ""(1081.25,760.25) ""(1216.25,765.25) ""(1222.25,421.25) ""(2042.25,477.25) ""(2045.25,761.25) ""(2095.25,1352.25) ""(2135.25,1850.25) ""(2137.37,1569.39) ""(2170.25,418.25) ""(2177.25,763.25) ""(2199.25,1245.25) ""(2253,1470) ""(2255.25,1751.25) ""(2774.25,1236.25) ""(2874.25,1344.25) ""(2942.25,194.25) ""(2967.25,304.25) ""(3004.25,1230.25) ""(3226.25,1243.25)
  round 75 on Mech16: ""(416,1716) ""(516,1616) ""(716,1016) ""(1016,2116) ""(1116,1016) ""(1916,1016)
  round 30 on Top Overlay: ""(540,1928) ""(1869.25,1880.25)
  round 19.68 on Top Overlay: ""(1165,1115) ""(1165,1992) ""(2074,1115)
  round 50 on Mech16: ""(2516,2216)
  round 50 on Mech16 mask+0: ""(2968.74,1179) ""(3493.25,2168.25) ""(3937,447)

## Via types
v1: diameter 22, hole 10, Top to Bottom, tented both sides, 330 vias
v2: diameter 22, hole 10, Top to Bottom, 295 vias
v3: diameter 30, hole 15, Top to Bottom, 194 vias
v4: diameter 30, hole 15, Top to Bottom, tented both sides, 45 vias
v5: diameter 29, hole 15, Top to Bottom, tented both sides, 27 vias
v6: diameter 32, hole 15, Top to Bottom, tented both sides, 4 vias

## Nets (pads, with @x,y where several pads share a name; then routed paths per layer and width w, separated by ;. In a path a pad name is that pad's centre, name@x,y a point inside that pad or via, vN(x,y) a via of type N, cw(c..) or ccw(c..) an arc to the next point about the centre after c; other vN are vias at no path point)
+12V2: C60.1 C103.1 C123.2 C124.2 D6.K D8.K F2.2 J4.2 J5.2 R9.1 R16.1 R40.1 TP3.TP TP33.TP X13.1 | length 3708.8
  Top w10: v3@2568,716 v3@2600,716 ; 2720,1382 2871.94,1382 2887,1366.94 2887,1347.06 2883,1343.06 R9.1@2883,1327.9 ; 2724.25,1407 2725.25,1408 R16.1@2774.1,1408 ; 2724.25,1446 2725.25,1445 C123.2@2775.3,1445 ; R40.1@2755.9,703 v2(2785,703)
  Top w20: J4.2@2610,1737 J4.2@2640,1737 ; 2699,1347 2748.05,1297.95 C124.2@2760.25,1297.95 ; 2720,1382 2724.25,1377.75 ; v3(2911,1170) 2959.74,1170 D6.K@2977.25,1187.51 ; D6.K@2968.74,1179 D6.K@2977.25,1187.51 ; D6.K@2979,1189.26 D6.K@2977.25,1187.51
  Top w25: D8.K@2938.77,287.99 C60.1@2938.77,344
  Top w30: C103.1@2508,765 2544,765 v3(2569,765) ; C103.1@2511,716 2521.64,716 v3@2568,716 ; C103.1@2518,664 v3(2569,664)
  Top w33: C103.1@2520,714.36 2521.64,716 2544,738.36 2544,740 2544,765 2544,1119 2508,1155 2508,1282 2549,1323 J5.2@2609,1323 2677,1323 2724.25,1370.25 2724.25,1377.75
  Top w34: J4.2@2610,1737 2569,1737 2511.25,1679.25 2511.25,1596.25 2567.25,1540.25 2648,1540.25 2724.25,1464 2724.25,1446 2724.25,1407 2724.25,1382
  Top w75: C103.1@2531,740 2544,740 2615,740 2827,952 X13.1@2827,959 2827,1037.26 D6.K@2968.74,1179 ; D8.K@2914.46,261.68 3000.32,261.68 3040.95,221.05 F2.2@3040.95,141.39
  Signal Layer 2 w8: J5.2@2609,1323 J5.2@2637.5,1323
  Bottom w10: v3(2911,1170) 2915,1170 2961,1216 TP33.TP@3016,1216 TP3.TP@3016,1316
  Bottom w40: F2.2@3040.95,141.39 F2.2@3174.95,141.39
  Bottom w85: F2.2@3064.56,165 F2.2@3171,165 ; F2.2@3065.35,117 F2.2@3173,117
  other v3: 3044,235 2607,663 2569,715 2607,715 2604,761 2764,840 2755,931
+12V3: C27.1 C62.1 C89.1 D7.C D10.K F3.2 J1.5 R58.1 TP16.TP | length 1753
  Top w6: C62.1@3168,1194.77 C62.1@3170.23,1197
  Top w10: R58.1@3361.1,1962 3375,1948.1 3375,1947.19 3385.19,1937 3397.06,1937 3421.06,1913 3447.74,1913 D10.K@3479.74,1881
  Top w25: C89.1@3043,1206.77 3101.23,1206.77
  Top w30: 3111,1197 C62.1@3170.23,1197
  Top w70: C27.1@3111,1104.36 3111,1197 3111,1268.41 3105.33,1274.08 3186.08,1274.08 3336,1424 v3(3336,1564) F3.2@3336,1684 F3.2@3336,1686.51
  Bottom w6: TP16.TP@3816,1716 v3(3816,1775)
  Bottom w70: F3.2@3336,1684 F3.2@3470,1684 v3(3543,1684) 3586,1684 3653,1751 J1.5@3653,1885.5
  Bottom w85: F3.2@3359.61,1707.61 F3.2@3466.05,1707.61 ; F3.2@3360.39,1659.61 F3.2@3468.05,1659.61
  other v3: 3471,1565 3402.25,1572.25 3720,1668 3265,1683 3404,1755 3654,1791 3571,1796 3733,1797 3817,1853 3750,1883 3654,1982
ACTIVE: R73.2 U2.26 | length 1469.1
  Top w6: R73.2@266.25,1981 273,1981 v3(356,2064) ; v1(1078,1801) 1078,1766 1108,1736 1205,1736 1231.03,1762.03 1265.64,1762.03 1275.83,1772.22 U2.26@1317.83,1772.22
  Signal Layer 2 w6: v3(356,2064) 385,2064 543.25,2222.25 766.25,2222.25 786,2202.5 786,2183 810,2159 834,2159 1055,1938 1055,1900.08 1052,1897.08 1052,1868.92 1055,1865.92 1055,1824 v1(1078,1801)
AREF: C6.1 U2.98 | length 84.4
  Top w6: C6.1@2020.61,1732.85 C6.1@2028.8,1724.66
  Top w10: U2.98@1947.79,1732.85 C6.1@2020.61,1732.85
BED-HEAT: R56.1 U2.1 | length 110.2
  Top w6: U2.1@1869.01,1837.18 1869.01,1869.01 1875.25,1875.25 1944.42,1875.25 R56.1@1944.72,1874.95
BED-IN: C88.1 F3.1 J1.3 TP68.TP | length 1391.9
  Top w24: C88.1@3374.02,989.25 C88.1@3374.28,989.5 3374.25,1034.25 3470,1130 F3.1@3470,1154
  Signal Layer 2 w12: v3(3469,1049) 3525.51,992.49 3525.51,946.51 3480.25,901.25 3480.25,784.25 3537,727.5 3537,608 3516,587 v2(3516,458)
  Bottom w10: 3555,1137.5 3574.01,1156.51
  Bottom w12: TP68.TP@3516,416 v2(3516,458)
  Bottom w50: F3.1@3336,1154 3467.49,1154 3470,1156.51 3574.01,1156.51
  Bottom w85: F3.1@3359.61,1177.61 F3.1@3466.05,1177.61 ; F3.1@3360.39,1129.61 F3.1@3468.05,1129.61
  other v3: 3337,1051 3637,1051 3792,1068 3653,1135 3264,1153 3553,1155 3812,1179 3561,1233 3745,1236 3413.25,1250.25 3360,1255 3469,1255 3790,1288 3425,1316 3654,1325
BED-OUT: D10.A J1.6 LED6.C Q5.MB TP18.TP | length 454.9
  Top w10: LED6.C@3529,1967 3580,2018 3580,2122 v3(3594,2136)
  Bottom w10: 3664,2112 v2(3816,1960) TP18.TP@3816,1916
  other v2: 3049,1682.39 3089,1682.39 3129,1682.39 3169,1682.39 3209,1682.39 3049,1722.39 3089,1722.39 3129,1722.39 3169,1722.39 3209,1722.39 3049,1762.39 3089,1762.39 3129,1762.39 3169,1762.39 3209,1762.39 3049,1802.39 3089,1802.39 3129,1802.39 3169,1802.39 3209,1802.39 3714,2281
  other v3: 3255,1771 3002,1801 3255,1810 3002,1847 3049,1849 3090,1849 3129,1849 3170,1849 3210,1849 3255,1849 3709,2139 3591,2279
  other v4: 3002,1680 3002,1721 3002,1761
  other v5: 3341,1805 3592,2069 3669,2069 3709,2097 3645,2106 3750,2183 3750,2236 3682,2308 3633,2312 3591,2338
D+: R2.1 RV2.2 TP35.TP X2.3 | length 364.4
  Top w9: v4(488,1731) 559.23,1731 RV2.2@561,1729.23 ; RV2.2@547.25,1719.25 605.35,1719.25 R2.1@612.1,1726
  Bottom w9: X2.3@382.84,1584.9 382.84,1682.84 TP35.TP@416,1716 473,1716 v4(488,1731)
D-: R1.1 RV1.2 TP28.TP X2.2 | length 229.6
  Top w9: v4(516,1659) 534.77,1677.77 RV1.2@561,1677.77 ; RV1.2@546.25,1687.25 609.85,1687.25 R1.1@612.1,1685
  Bottom w9: X2.2@461.84,1584.9 484.9,1584.9 TP28.TP@516,1616 v4(516,1659)
DTR: JP1.1 JP1.2 RN5.5 TP24.TP U1.13 U10.3 | length 1102.3
  Top w6: v3(827.02,1933.32) 863.24,1933.32 RN5.5@888.28,1908.29 ; v1@858.25,1358.25 863.54,1363.54 U10.3@905.76,1363.54 ; U1.13@890.49,1736 927.93,1736 v3(928.4,1736.47)
  Signal Layer 2 w6: v3(827.02,1933.32) 928.4,1831.94 v3(928.4,1736.47) ; v1(863.25,1360.25) 858.25,1365.25 858.25,1449.25 919,1510 v1(919,1555)
  Bottom w6: TP24.TP@816,1316 822,1316 v1@858.25,1352.25 ; v3(827.02,1933.32) 864.94,1895.41 JP1.1@879.19,1895.41 JP1.2@879.19,1835.41 879.19,1594.81 v1(919,1555)
E0-DIR: U2.41 U7.7 | length 1553.1
  Top w6: U2.41@1317.83,1476 1401,1476 1440.83,1515.83 v1(1440.83,1516) ; v1(1795,1054) 1795,1023 1919,899 1919,637 1965.47,590.53 U7.7@2029.53,590.53
  Signal Layer 2 w6: v1(1440.83,1516) 1440.83,1515.83 1393.66,1468.66 1393.66,1169.34 1441,1122 1727,1122 v1(1795,1054)
E0-EN: U2.74 U7.22 | length 1276.8
  Top w6: U2.74@1849.79,1221 1849.79,1131.03 1913.82,1067 v1(2048,1067) ; v1(2098,1067) 2196,1067 2403,860 2403,562 2368,527 2303.38,527 2241.29,589.09 2238.67,589.09 2237.24,590.53 U7.22@2220.47,590.53
  Signal Layer 2 w6: v1(2048,1067) v1(2098,1067)
E0-STEP: U2.56 U7.6 | length 1104
  Top w6: U2.56@1494.99,1221 1494.99,1262.99 1505.5,1273.5 v1(1505.5,1288) ; v1(1828,1086) 1828,1016 1935,909 1935,646 1970.79,610.21 U7.6@2029.53,610.21
  Signal Layer 2 w6: v1(1505.5,1288) 1508,1288 1578,1218 1720,1218 1757,1181 1757,1125 1796,1086 v1(1828,1086)
E0_DIAG: R78.1 U2.86 U7.20 U7.21 | length 1484.8
  Top w6: U2.86@1947.79,1496 1986,1496 2037,1445 2058,1445 2098.68,1404.32 2098.68,1139.32 2135,1103 2188,1103 2420,871 2420,553 2377,510 2298.38,510 2257.22,551.16 ; U7.20@2220.47,551.16 2257.22,551.16 ; U7.21@2220.47,570.84 2239.54,570.84 2249.38,561 2249.38,559 2257.22,551.16
E0_nCS: U2.85 U7.2 | length 937.9
  Top w6: U2.85@1947.79,1476 1986,1476 2031.75,1430.25 2051.75,1430.25 2083.68,1398.32 2083.68,1108.68 2073,1098 2073,1032 2000.25,959.25 2000.25,694.75 2006.05,688.95 U7.2@2029.53,688.95
E-REF-PWM: RN1.1 U2.40 | length 933.3
  Top w6: U2.40@1317.83,1496 1319.83,1494 1389,1494 1409.83,1514.83 v1(1409.83,1516) ; RN1.1@1758.97,1022.35 RN1.1@1760.65,1022.35 ; RN1.1@1759,1022.38 v1(1759,1051)
  Signal Layer 2 w6: v1(1409.83,1516) 1409.83,1514.83 1378.41,1483.41 1378.41,1162.59 1434,1107 1719.5,1107 1760,1066.5 v1@1760,1054